# KiCad board dilemma.kicad_pcb
title: 0xB2 - Splinky; rev: 2; company: plut0nium
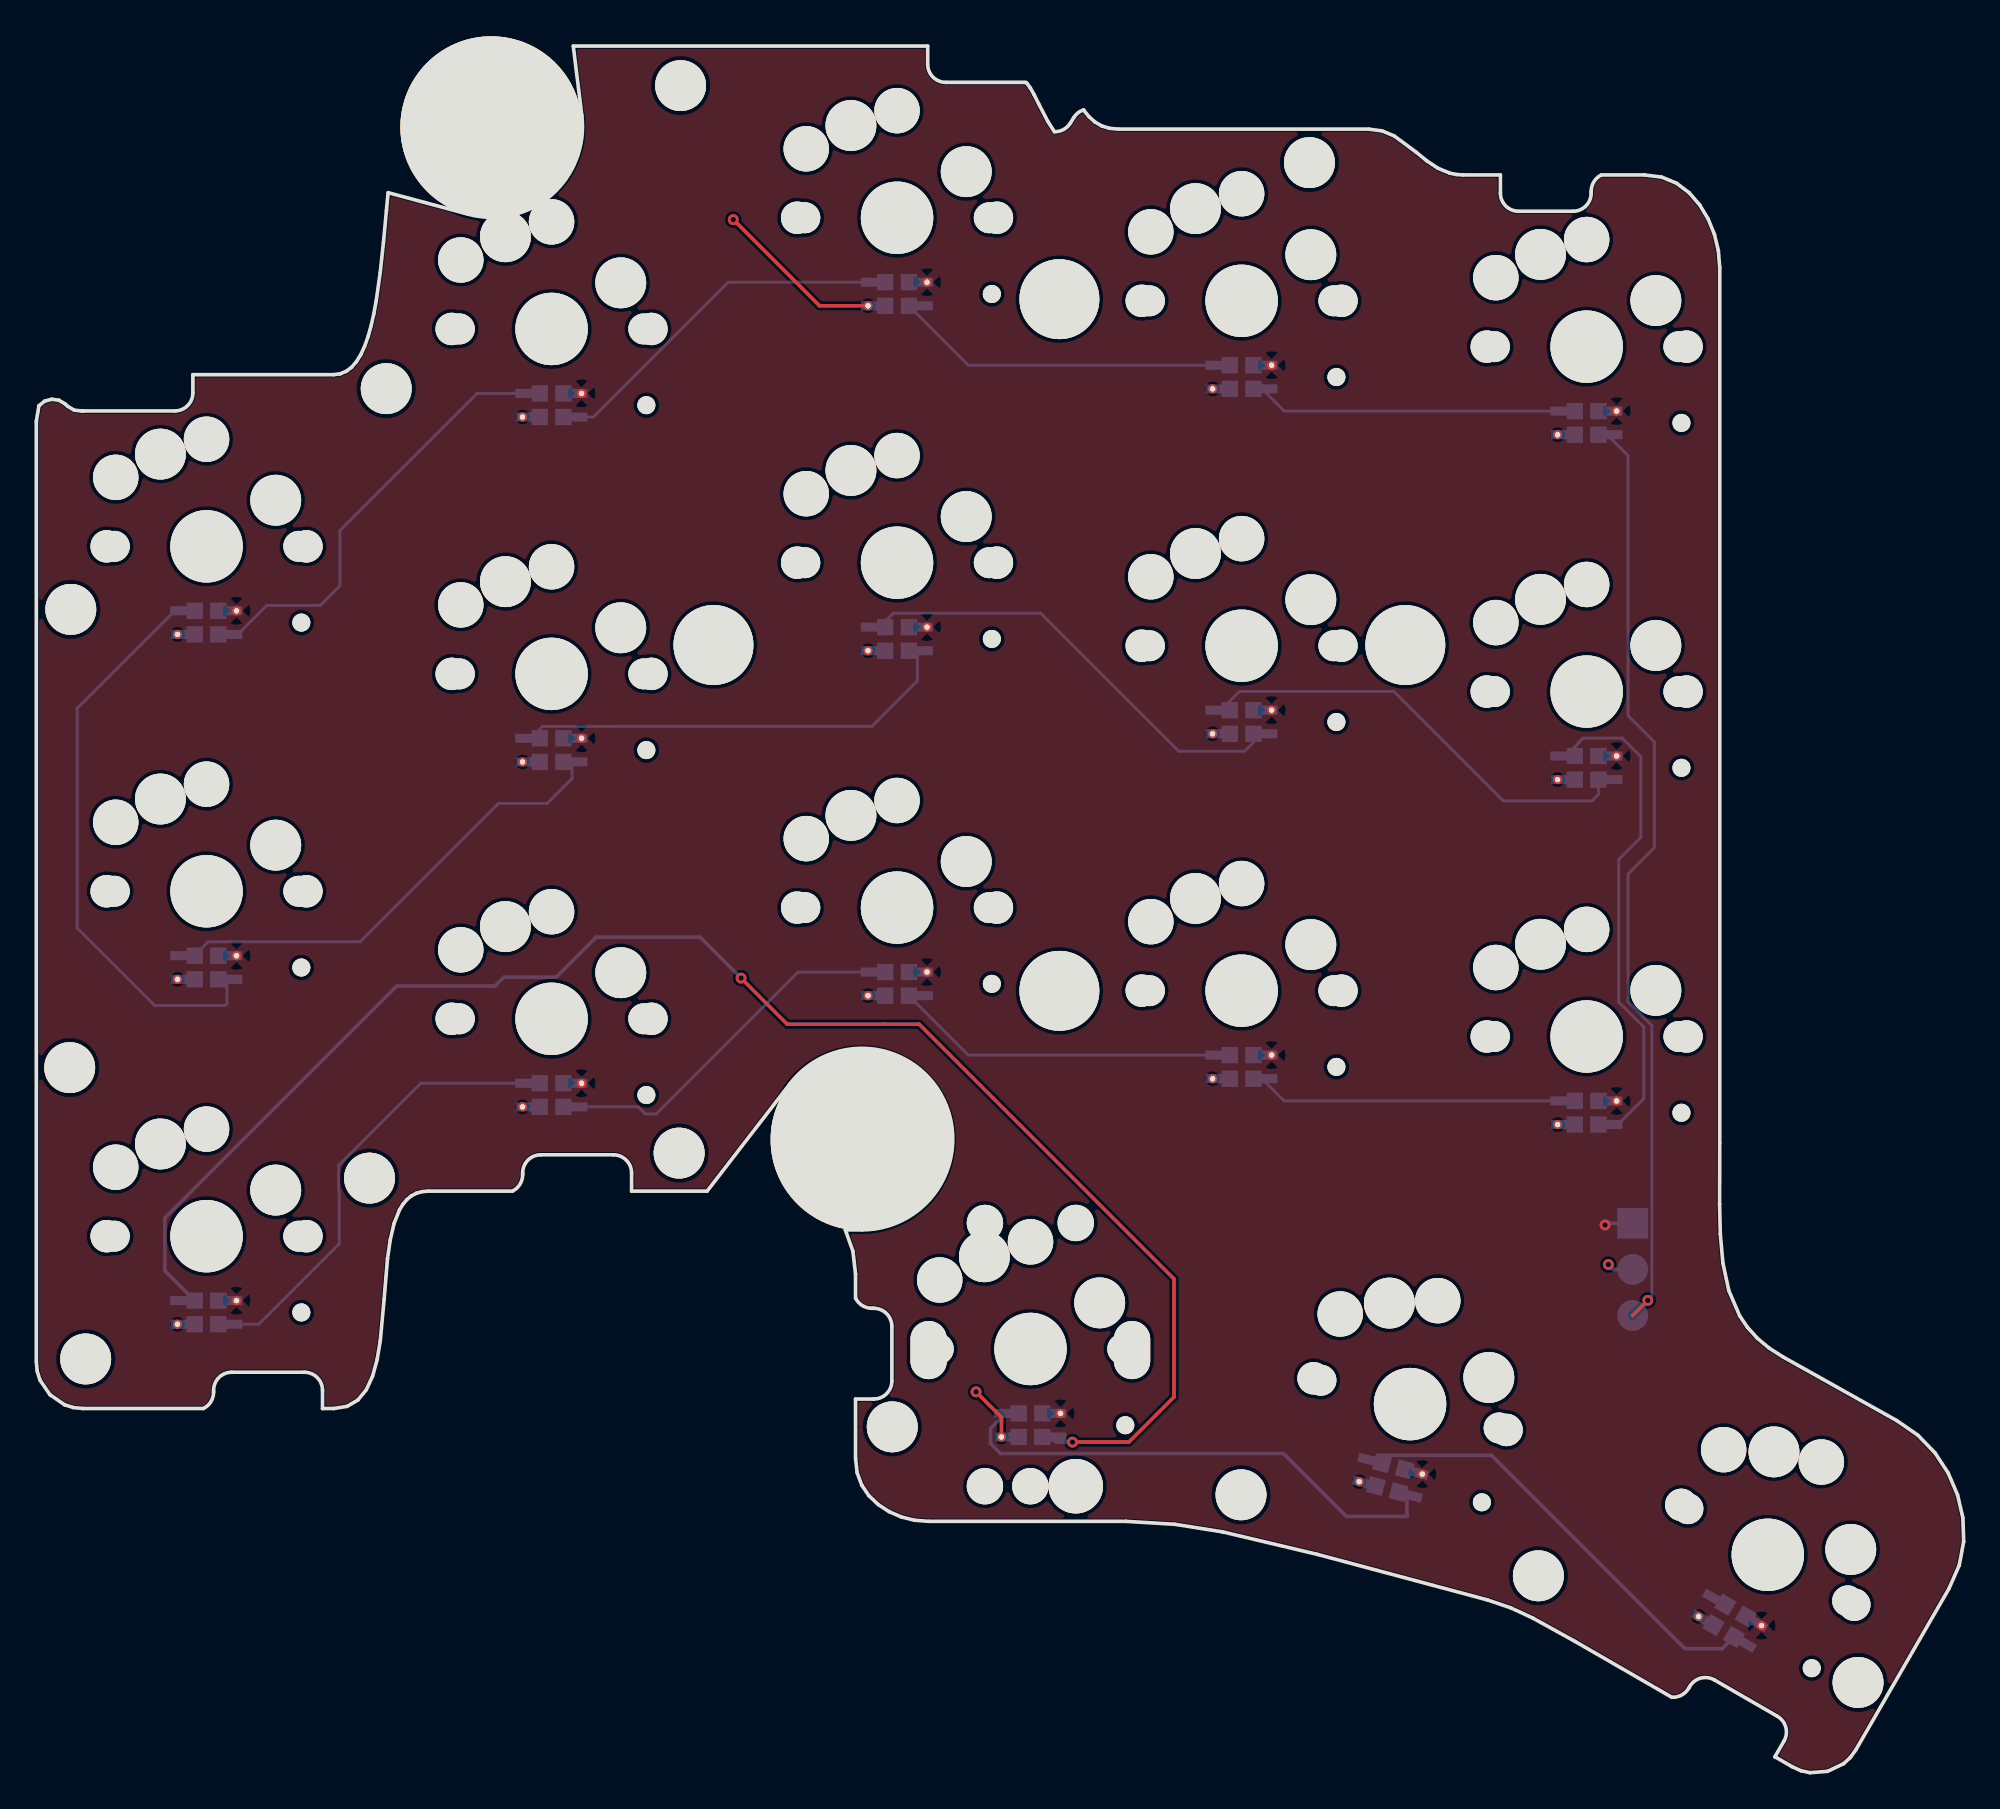
[diagram p0: board, top side]
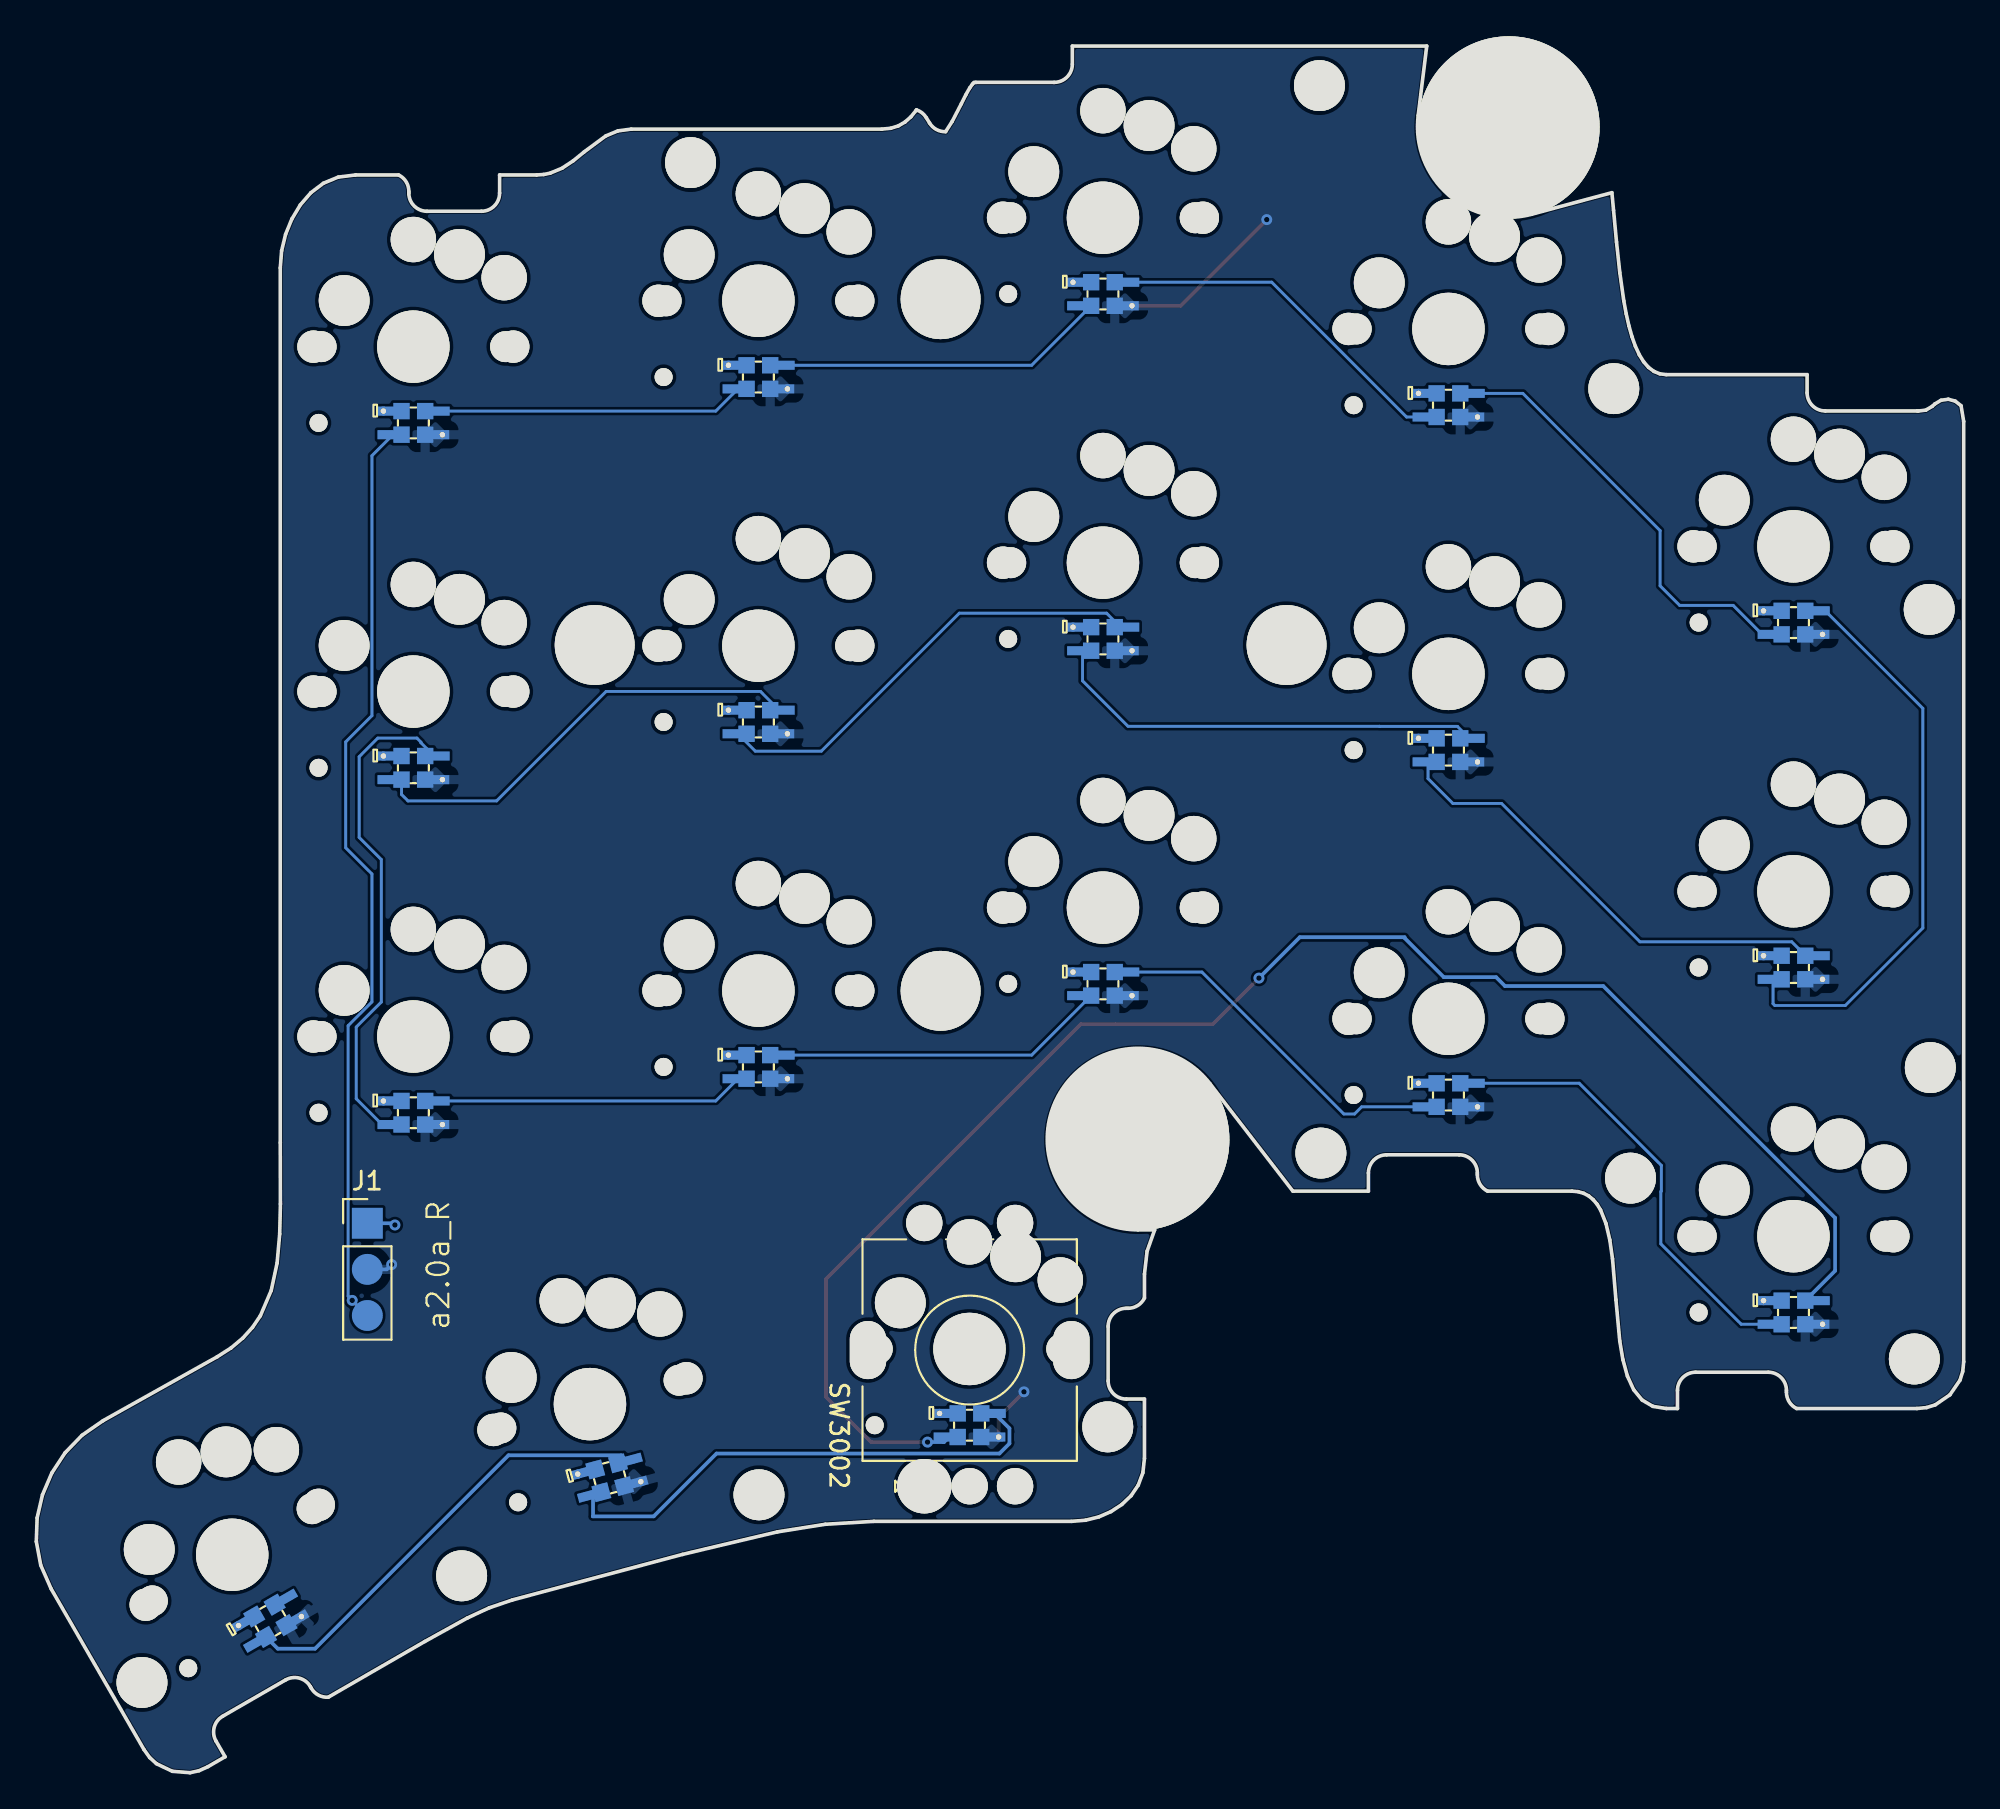
[diagram p1: board, bottom side, seen from below]

Outline 106.14 x 95.11 mm; copper layers: Top, Bottom. Coordinates in mm from the lower left corner of the outline.
Outline path: 0,74.44 0,22.64 0.05,22.1 0.21,21.62 0.76,20.82 1.56,20.27 2.04,20.11 2.57,20.06 9.2,20.06 arc(9.61,20.43) 9.76,20.96 9.76,21.06 arc(10.05,21.77) 10.76,22.06 14.76,22.06 arc(15.47,21.77) 15.76,21.06 15.76,20.06 16.37,20.06 17.11,20.18 17.71,20.53 18.17,21.09 18.52,21.85 18.77,22.75 18.94,23.78 19.15,26.05 19.34,28.31 19.49,29.34 19.7,30.25 20,31 20.18,31.31 20.4,31.57 20.65,31.77 20.92,31.92 21.23,32.01 21.57,32.04 26.22,32.04 arc(26.63,32.4) 26.78,32.94 26.78,33.04 arc(27.07,33.74) 27.78,34.04 31.78,34.04 arc(32.49,33.74) 32.78,33.04 32.78,32.04 36.94,32.04 41.51,37.96 arc(49.95,37.11) 45.47,29.9 44.55,29.9 44.97,28.73 45.11,27.47 45.11,26.15 arc(45.48,25.73) 46.01,25.58 46.11,25.58 arc(46.82,25.29) 47.11,24.58 47.11,21.58 arc(46.82,20.88) 46.11,20.58 45.11,20.58 45.11,17.31 45.2,16.52 45.46,15.84 45.85,15.26 46.36,14.77 46.95,14.38 47.62,14.09 48.35,13.91 49.14,13.85 60.01,13.85 62.69,13.68 65.33,13.26 70.54,12.03 79.93,9.51 81.19,9.08 82.4,8.52 84.74,7.23 90.06,4.16 arc(90.6,4.27) 90.99,4.66 91.04,4.74 arc(91.65,5.21) 92.41,5.11 95.88,3.11 arc(96.34,2.5) 96.24,1.74 95.74,0.88 96.69,0.33 97.18,0.11 97.67,0 98.64,0.08 99.52,0.5 99.89,0.84 100.21,1.27 105.32,10.13 105.89,11.43 106.14,12.73 106.09,14.03 105.8,15.3 105.28,16.51 104.56,17.62 103.62,18.59 102.46,19.39 96.18,22.91 95.41,23.4 94.77,23.94 94.23,24.53 93.8,25.17 93.2,26.56 92.88,28.08 92.73,29.68 92.69,31.33 92.7,34.7 92.7,82.9 92.63,83.84 92.41,84.74 92.06,85.59 91.6,86.36 91.02,87.03 90.33,87.55 89.51,87.89 88.55,88.01 86.19,88.01 arc(85.78,87.64) 85.62,87.11 85.62,87.01 arc(85.33,86.3) 84.62,86.01 81.62,86.01 arc(80.92,86.3) 80.62,87.01 80.62,88.01 78.57,88.01 78.2,88.04 77.84,88.11 77.17,88.39 76.56,88.8 75.97,89.27 74.78,90.16 74.11,90.44 73.37,90.54 59.57,90.54 59.09,90.58 58.66,90.71 58.29,90.93 57.97,91.22 57.69,91.56 57.67,91.6 arc(57.36,91.43) 57.13,91.17 56.95,90.87 arc(56.57,90.51) 56.06,90.39 55.7,90.96 55.2,91.92 54.95,92.43 54.74,92.81 54.58,93.02 54.5,93.1 54.4,93.11 50.08,93.11 arc(49.38,93.4) 49.08,94.11 49.08,95.11 29.57,95.11 30.04,91.29 arc(28.36,86.9) 23.78,85.85 19.37,87.03 19.28,86.06 19.12,84.32 18.94,82.64 18.72,81.08 18.59,80.37 18.44,79.71 18.27,79.11 18.08,78.57 17.86,78.11 17.62,77.72 17.36,77.41 17.06,77.19 16.73,77.06 16.37,77.01 8.62,77.01 8.62,76.01 arc(8.33,75.3) 7.62,75.01 2.57,75.01 2.49,75.01 2.09,75.06 1.73,75.27 1.59,75.4 1.24,75.6 0.85,75.66 0.46,75.55 0.14,75.3 0,74.44
Stack: Top 0.035mm / dielectric 1.11mm FR4 er 4.5 / Bottom 0.035mm

## Placement (name value [footprint] x y rotation side)
D4  SK6805-EC15  [LED_SK6805-EC15_hole]  35.4 34.13 0 top
D7  SK6805-EC15  [LED_SK6805-EC15_hole]  70.11 88.69 180 top
D8  SK6805-EC15  [LED_SK6805-EC15_hole]  47.13 19.05 270 top
D9  NA_SK6805-hole  [LED_SK6805-EC15_hole]  82.71 10.85 340 top
D11  NA_SK6805-hole  [LED_SK6805-EC15_hole]  35.48 92.93 180 top
D12  NA_SK6805-hole  [LED_SK6805-EC15_hole]  66.34 15.31 345 top
D15  NA_SK6805-hole  [LED_SK6805-EC15_hole]  19.27 76.24 225 top
D16  NA_SK6805-hole  [LED_SK6805-EC15_hole]  100.32 4.97 60 top
D18  NA_SK6805-hole  [LED_SK6805-EC15_hole]  1.9 64.08 270 top
D21  SK6805-EC15  [LED_SK6805-EC15_hole]  1.84 38.84 270 top
D24  SK6805-EC15  [LED_SK6805-EC15_hole]  2.72 22.79 315 top
D27  SK6805-EC15  [LED_SK6805-EC15_hole]  18.35 32.75 45 top
D30  SK6805-EC15  [LED_SK6805-EC15_withSwitch]  85.37 78.55 180 bottom
D31  SK6805-EC15  [LED_SK6805-EC15_withSwitch]  66.37 81.08 180 bottom
D32  SK6805-EC15  [LED_SK6805-EC15_withSwitch]  47.4 85.65 180 bottom
D33  SK6805-EC15  [LED_SK6805-EC15_withSwitch]  28.37 79.53 180 bottom
D34  SK6805-EC15  [LED_SK6805-EC15_withSwitch]  9.37 67.55 180 bottom
D35  SK6805-EC15  [LED_SK6805-EC15_withSwitch]  9.37 48.55 180 bottom
D36  SK6805-EC15  [LED_SK6805-EC15_withSwitch]  28.37 60.53 180 bottom
D37  SK6805-EC15  [LED_SK6805-EC15_withSwitch]  66.37 62.08 180 bottom
D38  SK6805-EC15  [LED_SK6805-EC15_withSwitch]  85.37 59.55 180 bottom
D39  SK6805-EC15  [LED_SK6805-EC15_withSwitch]  85.37 40.55 180 bottom
D40  SK6805-EC15  [LED_SK6805-EC15_withSwitch]  66.37 43.08 180 bottom
D41  SK6805-EC15  [LED_SK6805-EC15_withSwitch]  47.4 47.65 180 bottom
D42  SK6805-EC15  [LED_SK6805-EC15_withSwitch]  28.37 41.53 180 bottom
D43  SK6805-EC15  [LED_SK6805-EC15_withSwitch]  9.37 29.55 180 bottom
D44  SK6805-EC15  [LED_SK6805-EC15_withSwitch]  54.75 23.34 180 bottom
D45  SK6805-EC15  [LED_SK6805-EC15_withSwitch]  75.65 20.3 165 bottom
D46  SK6805-EC15  [LED_SK6805-EC15_withSwitch]  95.35 12 150 bottom
D47  SK6805-EC15  [LED_SK6805-EC15_withSwitch]  47.4 66.65 180 bottom
H101  NA_M4  [MountingHole_3mm_Pad_hole]  25.05 90.65 0 top
H104  NA_M4  [MountingHole_3mm_Pad_hole]  45.44 34.87 0 top
H111  NA_t  [Tenting_Puck]  56.34 62.12 0 top
J1  NA_Conn_01x03_Female  [PinHeader_1x03_P2.54mm_Vertical_smd]  87.91 30.27 180 bottom
SW3002  NA_RotaryEncoder_Switch  [RotaryEncoder_Alps_EC11E-Switch_Vertical_H20mm_holes]  57.24 15.78 90 bottom

## Library data of the parts
D4 D7 D8 D21 D24 D27 D30-D47 = -: LCSC: C2890035; MFN: Dongguan Opsco Optoelectronics
D9 D11 D12 D15 D16 D18 = -: LCSC: C2890035; MFN: Dongguan Opsco Optoelectronics; MPN: SK6805-EC15; PKG: SK6805-EC15

## Footprints (pads in the part's own frame, mm; a bottom-side part is the same pattern mirrored in y, then rotated)
LED_SK6805-EC15_hole
  round 2.8 hole 2.8: (0,0)
LED_SK6805-EC15_withSwitch
  round 1.782 hole 1.782 unplated: (-5.5,0) (5.5,0)
  round 0.991 hole 0.991 unplated: (-5.22,-4.2)
  round 1.702 hole 1.702 unplated: (-5.08,0) (5.08,0)
  round 2.8 hole 2.8 unplated: (-3.81,2.54) (2.54,5.08)
  round 3.988 hole 3.988 unplated: (0,0)
  round 2.5 hole 2.5 unplated: (0,5.9) (5,3.8)
  rect 1.7x0.5 smd: 1(-1.124,-4.85) 2(1.124,-4.85) 3(1.149,-3.55) 4(-1.124,-3.55)
  rect 0.9x0.9 smd: 1(-0.65,-4.85) 2(0.65,-4.85) 3(0.65,-3.55) 4(-0.65,-3.55)
  round 0.5 hole 0.3: 2(1.6,-4.85) 4(-1.65,-3.55)
MountingHole_3mm_Pad_hole
  round 10 hole 10 unplated: (0,0)
PinHeader_1x03_P2.54mm_Vertical_smd
  rect 1.7x1.7 smd: 1(0,0)
  oval 1.7x1.7 smd: 2(0,-2.54) 3(0,-5.08)
RotaryEncoder_Alps_EC11E-Switch_Vertical_H20mm_holes
  round 2 hole 2 unplated: (0,-5) (0,-2.5) (14.5,-5) (14.5,0)
  round 3 hole 3 unplated: (0,0)
  oval 3.2x2 hole 3.2x2 unplated: (7.5,-8.1) (7.5,3.1)
Tenting_Puck
  round 4.4 hole 4.4 unplated: (-19.05,0) (0,19.05) (0,-19.05) (19.05,0)

## Nets
+3V3: D30.2 D31.2 D32.2 D33.2 D34.2 D35.2 D36.2 D37.2 D38.2 D39.2 D40.2 D41.2 D42.2 D43.2 D44.2 D45.2 D46.2 D47.2 J1.2
GND: D30.4 D31.4 D32.4 D33.4 D34.4 D35.4 D36.4 D37.4 D38.4 D39.4 D40.4 D41.4 D42.4 D43.4 D44.4 D45.4 D46.4 D47.4 J1.1
RGB: D30.1 J1.3
Net-(D30-Pad3): D30.3 D31.1
Net-(D31-Pad3): D31.3 D32.1
Net-(D32-Pad3): D32.3 D33.1
Net-(D33-Pad3): D33.3 D34.1
Net-(D34-Pad3): D34.3 D35.1
Net-(D35-Pad3): D35.3 D36.1
Net-(D36-Pad3): D36.3 D47.1
Net-(D37-Pad1): D37.1 D47.3
Net-(D37-Pad3): D37.3 D38.1
Net-(D38-Pad3): D38.3 D39.1
Net-(D39-Pad3): D39.3 D40.1
Net-(D40-Pad3): D40.3 D41.1
Net-(D41-Pad3): D41.3 D42.1
Net-(D42-Pad3): D42.3 D43.1
Net-(D43-Pad3): D43.3 D44.1
Net-(D44-Pad3): D44.3 D45.1
Net-(D45-Pad3): D45.3 D46.1

Pads without a net: D46 3

## Via types
v1: diameter 0.6, hole 0.3, Top to Bottom, 7 vias

## Routing (per net, layer and track width the routed paths; a pad name or vN(x,y) marks a point on that pad's centre or on a via; arc(x,y) is an arc through that point)
+3V3: length 13.9
  Top w0.2: D32.2 43.13,80.8 v1(38.38,85.55) ; D44.2 53.15,19.58 v1(51.75,20.98)
  Bottom w0.2: v1(86.57,27.99) 86.83,27.73 J1.2
GND: length 1.6
  Bottom w0.2: v1(86.39,30.17) 86.48,30.27 J1.1
RGB: length 52.4
  Top w0.2: J1.3 v1(88.74,26.02)
  Bottom w0.16: J1.3 v1(88.74,26.02) 88.97,26.24 88.97,41.15 87.65,42.46 87.65,49.5 89.1,50.95 89.1,56.78 87.65,58.23 87.65,72.55 D30.1
Net-(D30-Pad3): length 17.7
  Bottom w0.16: D31.1 68.72,75 D30.3
Net-(D31-Pad3): length 18.5
  Bottom w0.16: D32.1 51.32,77.53 D31.3
Net-(D32-Pad3): length 19.8
  Bottom w0.16: D32.3 38.1,82.1 30.68,74.68 D33.1
Net-(D33-Pad3): length 24.5
  Bottom w0.16: D34.1 11.1,62.7 12.69,64.3 15.64,64.3 16.72,65.38 16.72,68.42 24.28,75.98 27.72,75.98
Net-(D34-Pad3): length 31.7
  Bottom w0.16: D35.1 10.5,42.36 10.4,42.26 6.52,42.26 2.25,46.53 2.25,58.63 7.62,64 D34.3
Net-(D35-Pad3): length 25.7
  Bottom w0.16: D35.3 8.72,45.03 9.47,45.77 17.83,45.77 25.45,53.39 28.13,53.39 29.5,54.76 D36.1
Net-(D36-Pad3): length 24.3
  Bottom w0.16: D36.3 27.88,57.63 32.16,57.63 32.17,57.64 46.02,57.64 48.52,60.14 D47.1
Net-(D37-Pad1): length 25.1
  Bottom w0.16: D47.3 46.43,63.1 47.2,63.87 55.31,63.87 62.91,56.27 66.54,56.27 D37.1
Net-(D37-Pad3): length 24.7
  Bottom w0.16: 86.02,54.7 86.02,53.89 85.67,53.53 80.79,53.53 74.76,59.56 66.26,59.56 D37.3
Net-(D38-Pad3): length 27.5
  Bottom w0.16: D39.1 87.1,35.7 88.52,37.12 88.52,41.07 87.14,42.45 87.14,50.3 88.36,51.52 88.36,55.96 87.33,56.99 85.18,56.99 84.96,56.77 84.96,56.74 D38.3
Net-(D39-Pad3): length 17.7
  Bottom w0.16: D40.1 68.72,37 D39.3
Net-(D40-Pad3): length 19
  Bottom w0.16: 65.72,39.53 51.32,39.53 D41.1
Net-(D41-Pad3): length 20.7
  Bottom w0.16: D42.1 33.15,36.68 33.54,36.29 34.13,36.29 41.95,44.1 D41.3
Net-(D42-Pad3): length 24.8
  Bottom w0.16: D42.3 21.17,37.98 16.65,33.45 16.65,32.04 16.68,32.01 16.68,29.13 12.25,24.7 D43.1
Net-(D43-Pad3): length 89.5
  Top w0.2: v1(57.06,18.21) 60.16,18.21 62.65,20.7 62.65,27.2 48.62,41.23 41.35,41.23 v1(38.81,43.77)
  Bottom w0.2: D44.1 56.15,18.21 v1(57.06,18.21) ; D43.3 7.08,27.65 7.08,30.56 19.85,43.33 25.26,43.33 25.75,43.82 28.63,43.82 30.79,45.98 30.79,46.02 36.56,46.02 v1(38.81,43.77)
Net-(D44-Pad3): length 28.5
  Bottom w0.2: D44.3 53.37,19.79 52.55,18.97 52.55,18.13 53.1,17.58 68.68,17.58 72.14,14.12 75.49,14.12 75.48,14.13 D45.1
Net-(D45-Pad3): length 24.7
  Bottom w0.2: D45.3 73.93,17.48 80.14,17.48 90.79,6.83 92.84,6.83 D46.1

## Copper pours and planes (outline as drawn; the poured copper is in the pictures)
+3V3 on Bottom: 150.88,108.05 156.18,-11.45 -31.62,-13.85 -28.52,117.05
GND on Top: 160.25,103.2 165.55,-16.3 -22.25,-18.7 -19.15,112.2

## Text on the board
B.Silkscreen: a2.0a_R
